# EAGLE board working (EAGLE 9.6.2), part 20 of 28 (continued)
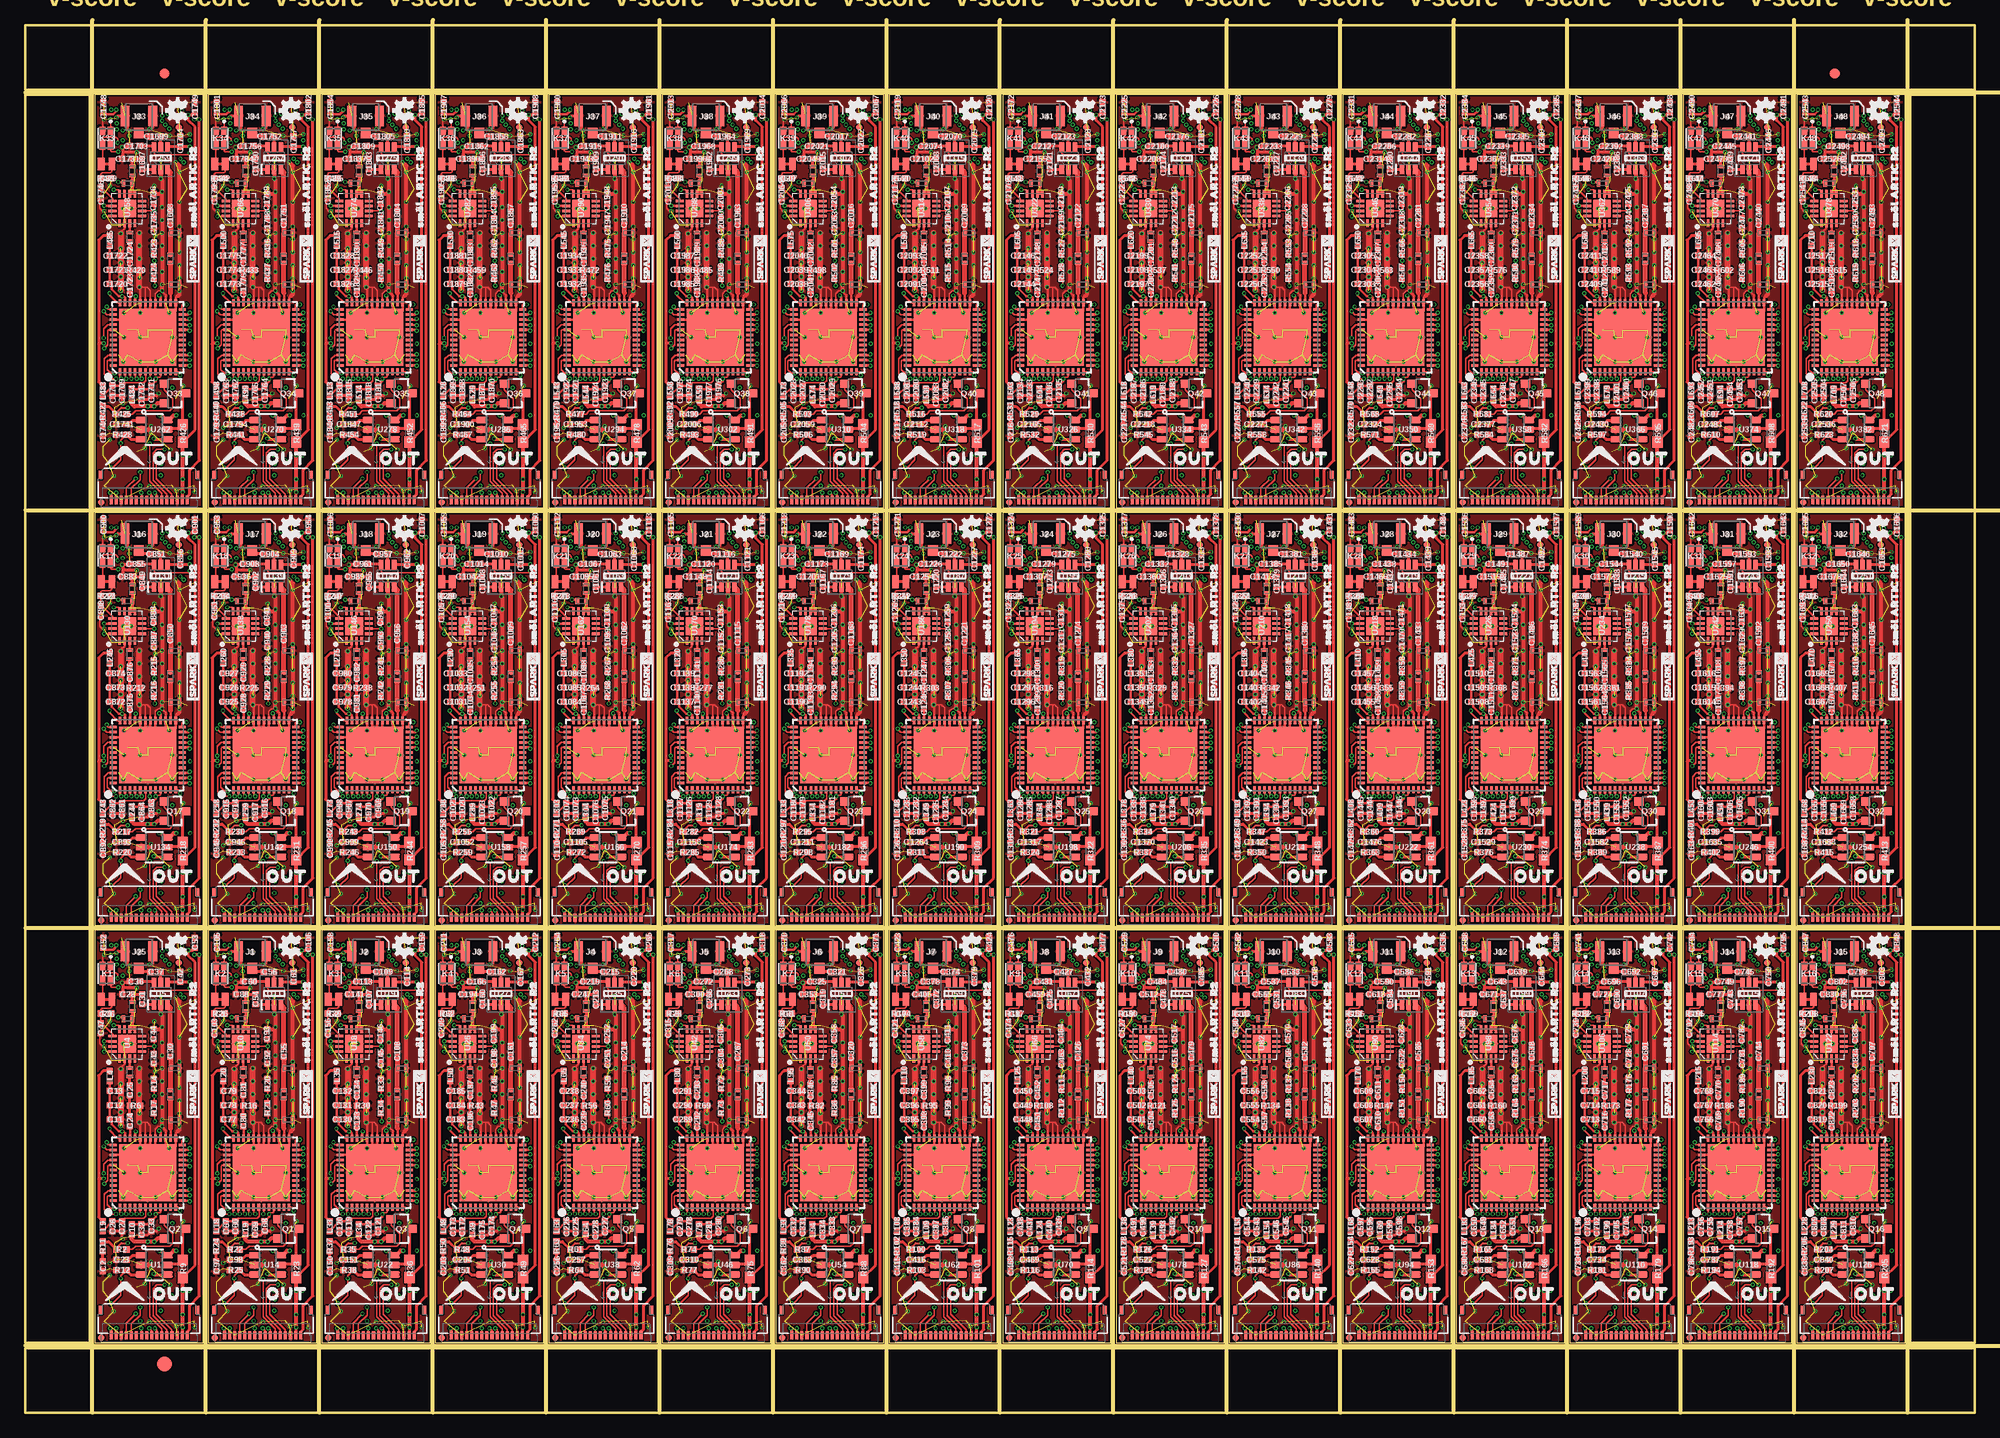
[diagram p0: board, top side]
## Tracks (layer width: path | path; a pad name or v marks a point on that pad's centre or on a via) (continued)
N$107  (via drill 0.2)
  Top 0.254: U25.20 49.61,24.37 v49.72,24.26
  Bottom 0.152: C200.1 49.02,22.41 50.03,22.41 50.16,22.54 50.16,23.81 v49.72,24.26
  Bottom 0.254: C200.1 C201.1 L59.1
N$108
  Top 0.305: U30.5 47.59,14.61 48.62,14.61 R49.1 49.02,17.82 Q4.3
N$109
  Top 0.152: R48.1 44.07,16.07 44.39,16.38 47.75,16.38 48.07,16.7 48.07,17.59 47.2,18.46 Q4.1
N$110  (via drill 0.2)
  Top 0.203: R48.2 42.49,16.2 42.99,16.7 v43.61,16.7
  Top 0.305: v46.16,13.65 46.22,13.59 U30.4 | R50.1 41.2,16.83 41.73,16.83 R48.2
  Bottom 0.203: v46.16,13.65 45.85,13.65 45.08,14.41 45.08,16.32 44.7,16.7 v43.61,16.7
N$111
  Top 0.305: C203.1 R50.2
  Top 0.406: 41.14,15.88 R50.2
N$112
  Top 0.305: U30.1 44.87,15.43 44.06,15.43 43.68,15.05 C204.1
N$113
  Top 0.305: C213.1 57.36,40.2 U35.1
N$114
  Top 0.508: C214.1 58.99,39.87 U35.3
N$115
  Top 0.305: U35.5 58.04,43.43 C215.2
N$116  (via drill 0.2)
  Top 0.254: U33.24 60.17,26.77 60.26,26.86 v60.58,26.86
  Bottom 0.305: C222.1 59.18,27.63 59.18,27.42 59.62,26.99 L61.1 v60.58,26.86 60.58,27.44 C221.1
N$117  (via drill 0.2)
  Top 0.254: U33.23 60.64,25.87 60.65,25.88 60.74,25.88 v60.9,26.04
  Bottom 0.305: L62.1 60.2,25.84 60.39,26.04 v60.9,26.04
  Bottom 0.406: C223.1 C224.1 L62.1
N$118
  Top 0.152: U33.6 56.57,20.17 56.57,19.34 56.37,19.14 54.52,19.14 C225.1 | L63.1 52.32,17.88 53.28,18.83 C226.1
  Top 0.254: C226.1 C225.1
N$119  (via drill 0.2)
  Top 0.152: v57.53,19.56 57.53,19.62 57.58,19.67 57.92,19.67 58.02,19.77 U33.9
  Top 0.254: L64.1 C228.1 56.77,18.53 C227.1 57.53,19.3 v57.53,19.56
  Bottom 0.152: v57.53,19.56 56.77,18.8 R53.1 R54.2
N$120  (via drill 0.2)
  Top 0.254: U33.35 54.52,27.53 54.36,27.69 v54.23,27.69 53.91,27.69 53.22,28.38 53.22,28.7 C236.1 C237.1 C238.1 53.03,32.64 L65.1 | U33.28 58.02,27.62 v57.89,27.75 | U33.33 55.52,27.63 v55.57,27.69
  Bottom 0.254: v57.89,27.75 57.83,27.69 v55.57,27.69 v54.23,27.69
N$121  (via drill 0.2)
  Top 0.152: U33.36 53.76,27.02 52.99,27.79 v52.99,27.98
  Bottom 0.254: L66.1 53.34,28.32 v52.99,27.98 52.99,27.96 53.52,27.43 C230.1 53.54,27.3 53.98,26.86 C229.1
N$122  (via drill 0.2)
  Top 0.127: U33.41 52.9,24.37 52.81,24.28 52.81,22.89 v52.46,22.54
  Bottom 0.152: v52.46,22.54 52.46,21.96 R55.1
N$123  (via drill 0.2)
  Top 0.152: U33.40 52.81,24.87 52.42,24.48 v52.42,23.56
  Bottom 0.152: v52.42,23.56 53.2,23.56 C231.1 C232.1 L67.1
N$124  (via drill 0.2)
  Top 0.152: v52.7,26.63 52.7,26.53 52.86,26.37 U33.37
  Bottom 0.152: v52.7,26.63 53.21,26.12 53.72,26.12 54.19,25.64 54.46,25.64 X5.4 55.79,25.3 C234.1 C233.1
N$125
  Bottom 0.152: C235.1 52.48,24.48 53.3,25.3 X5.3
N$126  (via drill 0.2)
  Top 0.152: U33.38 52.71,25.87 52.41,26.17 v52.41,26.21
  Bottom 0.152: v52.41,26.21 52.39,26.18 C235.2
N$127
  Top 0.254: U33.34 55.02,28.17 C239.1
N$128
  Top 0.254: R56.2 | C240.1
  Top 0.305: C239.2 R56.2 | R56.2 C240.1
N$129  (via drill 0.2)
  Top 0.254: v52.45,36.58 U34.14
  Bottom 0.254: L69.P$2 52.46,36.59 v52.45,36.58
N$130
  Bottom 0.254: C245.1 C244.1 R58.1 53.74,37.45 L69.P$1
N$131
  Top 0.305: C240.2 L68.P$1
N$132
  Top 0.254: L68.P$2 U34.3
N$133
  Top 0.254: U34.10 55.24,37.77 U34.9
  Top 0.305: 55.24,38.79 L70.P$2 | 55.24,38.79 55.24,37.77 | L71.P$1 55.24,38.79
N$134
  Top 0.254: C246.P$1 59,30.96 58.99,30.94 59,30.93 | 59.02,28.81 L72.P$2 arc-45 L72.P$2 | U33.26 59.02,27.99 59,28
  Top 0.508: 59,28 L72.P$2 | L72.P$2 59,30.93
N$135  (via drill 0.2)
  Top 0.254: U33.20 60.78,24.37 v60.9,24.26
  Bottom 0.152: C253.1 60.2,22.41 61.21,22.41 61.34,22.54 61.34,23.81 v60.9,24.26
  Bottom 0.254: C253.1 C254.1 L74.1
N$136
  Top 0.305: U38.5 58.77,14.61 59.79,14.61 R62.1 60.2,17.82 Q5.3
N$137
  Top 0.152: R61.1 55.24,16.07 55.56,16.38 58.93,16.38 59.25,16.7 59.25,17.59 58.37,18.46 Q5.1
N$138  (via drill 0.2)
  Top 0.203: R61.2 53.66,16.2 54.16,16.7 v54.79,16.7
  Top 0.305: v57.34,13.65 57.4,13.59 U38.4 | R63.1 52.38,16.83 52.9,16.83 R61.2
  Bottom 0.203: v57.34,13.65 57.02,13.65 56.26,14.41 56.26,16.32 55.88,16.7 v54.79,16.7
N$139
  Top 0.305: C256.1 R63.2
  Top 0.406: 52.32,15.88 R63.2
N$140
  Top 0.305: U38.1 56.04,15.43 55.24,15.43 54.86,15.05 C257.1
N$141
  Top 0.305: C266.1 68.54,40.2 U43.1
N$142
  Top 0.508: C267.1 70.17,39.87 U43.3
N$143
  Top 0.305: U43.5 69.22,43.43 C268.2
N$144  (via drill 0.2)
  Top 0.254: U41.24 71.34,26.77 71.44,26.86 v71.76,26.86
  Bottom 0.305: C275.1 70.36,27.63 70.36,27.42 70.8,26.99 L76.1 v71.76,26.86 71.76,27.44 C274.1
N$145  (via drill 0.2)
  Top 0.254: U41.23 71.82,25.87 71.83,25.88 71.92,25.88 v72.07,26.04
  Bottom 0.305: L77.1 71.37,25.84 71.56,26.04 v72.07,26.04
  Bottom 0.406: C276.1 C277.1 L77.1
N$146
  Top 0.152: U41.6 67.75,20.17 67.75,19.34 67.55,19.14 65.69,19.14 C278.1 | L78.1 63.5,17.88 64.45,18.83 C279.1
  Top 0.254: C279.1 C278.1
N$147  (via drill 0.2)
  Top 0.152: v68.71,19.56 68.71,19.62 68.76,19.67 69.09,19.67 69.2,19.77 U41.9
  Top 0.254: L79.1 C281.1 67.95,18.53 C280.1 68.71,19.3 v68.71,19.56
  Bottom 0.152: v68.71,19.56 67.95,18.8 R66.1 R67.2
N$148  (via drill 0.2)
  Top 0.254: U41.35 65.7,27.53 65.53,27.69 v65.41,27.69 65.09,27.69 64.4,28.38 64.4,28.7 C289.1 C290.1 C291.1 L80.1 | U41.28 69.2,27.62 v69.07,27.75 | U41.33 66.7,27.63 v66.75,27.69
  Bottom 0.254: v69.07,27.75 69.01,27.69 v66.75,27.69 v65.41,27.69
N$149  (via drill 0.2)
  Top 0.152: U41.36 64.94,27.02 64.17,27.79 v64.17,27.98
  Bottom 0.254: L81.1 64.52,28.32 v64.17,27.98 64.17,27.96 64.7,27.43 C283.1 64.71,27.3 65.16,26.86 C282.1
N$150  (via drill 0.2)
  Top 0.127: U41.41 64.07,24.37 63.98,24.28 63.98,22.89 v63.64,22.54
  Bottom 0.152: v63.64,22.54 63.64,21.96 R68.1
N$151  (via drill 0.2)
  Top 0.152: U41.40 63.99,24.87 63.59,24.48 v63.59,23.56
  Bottom 0.152: v63.59,23.56 64.38,23.56 C284.1 C285.1 L82.1
N$152  (via drill 0.2)
  Top 0.152: v63.88,26.63 63.88,26.53 64.04,26.37 U41.37
  Bottom 0.152: v63.88,26.63 64.39,26.12 64.89,26.12 65.37,25.64 65.64,25.64 X6.4 66.97,25.3 C287.1 C286.1
N$153
  Bottom 0.152: C288.1 63.65,24.48 64.47,25.3 X6.3
N$154  (via drill 0.2)
  Top 0.152: U41.38 63.89,25.87 63.59,26.17 v63.59,26.21
  Bottom 0.152: v63.59,26.21 63.56,26.18 C288.2
N$155
  Top 0.254: U41.34 66.2,28.17 C292.1
N$156
  Top 0.254: 66.17,30.22 R69.2 | C293.1
  Top 0.305: C292.2 66.17,30.22 | R69.2 C293.1
N$157  (via drill 0.2)
  Top 0.254: v63.63,36.58 U42.14
  Bottom 0.254: L84.P$2 63.64,36.59 v63.63,36.58
N$158
  Bottom 0.254: C298.1 C297.1 R71.1 64.92,37.45 L84.P$1
N$159
  Top 0.305: C293.2 L83.P$1
N$160
  Top 0.254: L83.P$2 U42.3
N$161
  Top 0.254: U42.10 66.42,37.77 U42.9
  Top 0.305: 66.42,38.79 L85.P$2 | 66.42,38.79 66.42,37.77 | L86.P$1 66.42,38.79
N$162
  Top 0.254: C299.P$1 70.18,30.96 70.17,30.94 70.18,30.93 | 70.2,28.81 L87.P$2 arc-45 L87.P$2 | U41.26 70.2,27.99 70.18,28
  Top 0.508: 70.18,28 L87.P$2 | L87.P$2 70.18,30.93
N$163  (via drill 0.2)
  Top 0.254: U41.20 71.96,24.37 v72.07,24.26
  Bottom 0.152: C306.1 71.37,22.41 72.38,22.41 72.52,22.54 72.52,23.81 v72.07,24.26
  Bottom 0.254: C306.1 C307.1 L89.1
N$164
  Top 0.305: U46.5 69.94,14.61 70.97,14.61 R75.1 71.37,17.82 Q6.3
N$165
  Top 0.152: R74.1 66.42,16.07 66.74,16.38 70.1,16.38 70.42,16.7 70.42,17.59 69.55,18.46 Q6.1
N$166  (via drill 0.2)
  Top 0.203: R74.2 64.84,16.2 65.34,16.7 v65.97,16.7
  Top 0.305: v68.52,13.65 68.58,13.59 U46.4 | R76.1 63.55,16.83 64.08,16.83 R74.2
  Bottom 0.203: v68.52,13.65 68.2,13.65 67.44,14.41 67.44,16.32 67.06,16.7 v65.97,16.7
N$167
  Top 0.305: C309.1 R76.2
  Top 0.406: 63.49,15.88 R76.2
N$168
  Top 0.305: U46.1 67.22,15.43 66.41,15.43 66.03,15.05 C310.1
N$169
  Top 0.305: C319.1 79.71,40.2 U51.1
N$170
  Top 0.508: C320.1 81.34,39.87 U51.3
N$171
  Top 0.305: U51.5 80.39,43.43 C321.2
N$172  (via drill 0.2)
  Top 0.254: U49.24 82.52,26.77 82.61,26.86 v82.93,26.86
  Bottom 0.305: C328.1 81.53,27.63 81.53,27.42 81.97,26.99 L91.1 v82.93,26.86 82.93,27.44 C327.1
N$173  (via drill 0.2)
  Top 0.254: U49.23 83,25.87 83,25.88 83.09,25.88 v83.25,26.04
  Bottom 0.305: L92.1 82.55,25.84 82.74,26.04 v83.25,26.04
  Bottom 0.406: C329.1 C330.1 L92.1
N$174
  Top 0.152: U49.6 78.92,20.17 78.92,19.34 78.72,19.14 76.87,19.14 C331.1 | L93.1 74.68,17.88 75.63,18.83 C332.1
  Top 0.254: C332.1 C331.1
N$175  (via drill 0.2)
  Top 0.152: v79.88,19.56 79.88,19.62 79.93,19.67 80.27,19.67 80.37,19.77 U49.9
  Top 0.254: L94.1 C334.1 79.12,18.53 C333.1 79.88,19.3 v79.88,19.56
  Bottom 0.152: v79.88,19.56 79.12,18.8 R79.1 R80.2
N$176  (via drill 0.2)
  Top 0.254: U49.35 76.87,27.53 76.71,27.69 v76.58,27.69 76.26,27.69 75.57,28.38 75.57,28.7 C342.1 C343.1 C344.1 L95.1 | U49.28 80.37,27.62 v80.25,27.75 | U49.33 77.87,27.63 v77.93,27.69
  Bottom 0.254: v80.25,27.75 80.18,27.69 v77.93,27.69 v76.58,27.69
N$177  (via drill 0.2)
  Top 0.152: U49.36 76.11,27.02 75.35,27.79 v75.35,27.98
  Bottom 0.254: L96.1 75.69,28.32 v75.35,27.98 75.35,27.96 75.87,27.43 C336.1 75.89,27.3 76.34,26.86 C335.1
N$178  (via drill 0.2)
  Top 0.127: U49.41 75.25,24.37 75.16,24.28 75.16,22.89 v74.82,22.54
  Bottom 0.152: v74.82,22.54 74.82,21.96 R81.1
N$179  (via drill 0.2)
  Top 0.152: U49.40 75.16,24.87 74.77,24.48 v74.77,23.56
  Bottom 0.152: v74.77,23.56 75.56,23.56 C337.1 C338.1 L97.1
N$180  (via drill 0.2)
  Top 0.152: v75.06,26.63 75.06,26.53 75.21,26.37 U49.37
  Bottom 0.152: v75.06,26.63 75.56,26.12 76.07,26.12 76.55,25.64 76.81,25.64 X7.4 78.14,25.3 C340.1 C339.1
N$181
  Bottom 0.152: C341.1 74.83,24.48 75.65,25.3 X7.3
N$182  (via drill 0.2)
  Top 0.152: U49.38 75.06,25.87 74.77,26.17 v74.77,26.21
  Bottom 0.152: v74.77,26.21 74.74,26.18 C341.2
N$183
  Top 0.254: U49.34 77.37,28.17 C345.1
N$184
  Top 0.254: R82.2 | 77.35,31.24 C346.1
  Top 0.305: C345.2 R82.2 | R82.2 77.35,31.24
N$185  (via drill 0.2)
  Top 0.254: v74.8,36.58 U50.14
  Bottom 0.254: L99.P$2 74.82,36.59 v74.8,36.58
N$186
  Bottom 0.254: C351.1 C350.1 R84.1 76.09,37.45 L99.P$1
N$187
  Top 0.305: C346.2 L98.P$1
N$188
  Top 0.254: L98.P$2 U50.3
N$189
  Top 0.254: U50.10 77.6,37.77 U50.9
  Top 0.305: 77.6,38.79 L100.P$2 | 77.6,38.79 77.6,37.77 | L101.P$1 77.6,38.79
N$190
  Top 0.254: C352.P$1 81.36,30.96 81.34,30.94 81.35,30.93 81.36,30.93 | 81.37,28.81 L102.P$2 arc-45 L102.P$2 | U49.26 81.37,27.99 81.36,28
  Top 0.508: 81.36,28 L102.P$2 | L102.P$2 81.35,30.93
N$191  (via drill 0.2)
  Top 0.254: U49.20 83.13,24.37 v83.25,24.26
  Bottom 0.152: C359.1 82.55,22.41 83.56,22.41 83.69,22.54 83.69,23.81 v83.25,24.26
  Bottom 0.254: C359.1 C360.1 L104.1
N$192
  Top 0.305: U54.5 81.12,14.61 82.15,14.61 R88.1 82.55,17.82 Q7.3
N$193
  Top 0.152: R87.1 77.6,16.07 77.91,16.38 81.28,16.38 81.6,16.7 81.6,17.59 80.73,18.46 Q7.1
N$194  (via drill 0.2)
  Top 0.203: R87.2 76.02,16.2 76.52,16.7 v77.14,16.7
  Top 0.305: v79.69,13.65 79.75,13.59 U54.4 | R89.1 74.73,16.83 75.26,16.83 R87.2
  Bottom 0.203: v79.69,13.65 79.38,13.65 78.61,14.41 78.61,16.32 78.23,16.7 v77.14,16.7
N$195
  Top 0.305: C362.1 R89.2
  Top 0.406: 74.67,15.88 R89.2
N$196
  Top 0.305: U54.1 78.4,15.43 77.59,15.43 77.21,15.05 C363.1
N$197
  Top 0.305: C372.1 90.89,40.2 U59.1
N$198
  Top 0.508: C373.1 92.52,39.87 U59.3
N$199
  Top 0.305: U59.5 91.57,43.43 C374.2
N$200  (via drill 0.2)
  Top 0.254: U57.24 93.7,26.77 93.79,26.86 v94.11,26.86
  Bottom 0.305: C381.1 92.71,27.63 92.71,27.42 93.15,26.99 L106.1 v94.11,26.86 94.11,27.44 C380.1
N$201  (via drill 0.2)
  Top 0.254: U57.23 94.17,25.87 94.18,25.88 94.27,25.88 v94.42,26.04
  Bottom 0.305: L107.1 93.73,25.84 93.92,26.04 v94.42,26.04
  Bottom 0.406: C382.1 C383.1 L107.1
N$202
  Top 0.152: U57.6 90.1,20.17 90.1,19.34 89.9,19.14 88.05,19.14 C384.1 | L108.1 85.85,17.88 86.81,18.83 C385.1
  Top 0.254: C385.1 C384.1
N$203  (via drill 0.2)
  Top 0.152: v91.06,19.56 91.06,19.62 91.11,19.67 91.45,19.67 91.55,19.77 U57.9
  Top 0.254: L109.1 C387.1 90.3,18.53 C386.1 91.06,19.3 v91.06,19.56
  Bottom 0.152: v91.06,19.56 90.3,18.8 R92.1 R93.2
N$204  (via drill 0.2)
  Top 0.254: U57.35 88.05,27.53 87.88,27.69 v87.76,27.69 87.44,27.69 86.75,28.38 86.75,28.7 C395.1 C396.1 C397.1 L110.1 | U57.28 91.55,27.62 v91.42,27.75 | U57.33 89.05,27.63 v89.1,27.69
  Bottom 0.254: v91.42,27.75 91.36,27.69 v89.1,27.69 v87.76,27.69
N$205  (via drill 0.2)
  Top 0.152: U57.36 87.29,27.02 86.52,27.79 v86.52,27.98
  Bottom 0.254: L111.1 86.87,28.32 v86.52,27.98 86.52,27.96 87.05,27.43 C389.1 87.07,27.3 87.51,26.86 C388.1
N$206  (via drill 0.2)
  Top 0.127: U57.41 86.42,24.37 86.34,24.28 86.34,22.89 v85.99,22.54
  Bottom 0.152: v85.99,22.54 85.99,21.96 R94.1
N$207  (via drill 0.2)
  Top 0.152: U57.40 86.34,24.87 85.94,24.48 v85.94,23.56
  Bottom 0.152: v85.94,23.56 86.73,23.56 C390.1 C391.1 L112.1
N$208  (via drill 0.2)
  Top 0.152: v86.23,26.63 86.23,26.53 86.39,26.37 U57.37
  Bottom 0.152: v86.23,26.63 86.74,26.12 87.25,26.12 87.72,25.64 87.99,25.64 X8.4 89.32,25.3 C393.1 C392.1
N$209
  Bottom 0.152: C394.1 86,24.48 86.83,25.3 X8.3
N$210  (via drill 0.2)
  Top 0.152: U57.38 86.24,25.87 85.94,26.17 v85.94,26.21
  Bottom 0.152: v85.94,26.21 85.92,26.18 C394.2
N$211
  Top 0.254: U57.34 88.55,28.17 C398.1
N$212
  Top 0.254: R95.2 | C399.1
  Top 0.305: C398.2 R95.2 | R95.2 C399.1
N$213  (via drill 0.2)
  Top 0.254: v85.98,36.58 U58.14
  Bottom 0.254: L114.P$2 85.99,36.59 v85.98,36.58
N$214
  Bottom 0.254: C404.1 C403.1 R97.1 87.27,37.45 L114.P$1
N$215
  Top 0.305: C399.2 L113.P$1
N$216
  Top 0.254: L113.P$2 U58.3
N$217
  Top 0.254: U58.10 88.77,37.77 U58.9
  Top 0.305: 88.77,38.79 L115.P$2 | 88.77,38.79 88.77,37.77 | L116.P$1 88.77,38.79
N$218
  Top 0.254: C405.P$1 92.53,30.96 92.52,30.94 92.53,30.93 | 92.55,28.81 L117.P$2 arc-45 L117.P$2 | U57.26 92.55,27.99 92.53,28
  Top 0.508: 92.53,28 L117.P$2 | L117.P$2 92.53,30.93
N$219  (via drill 0.2)
  Top 0.254: U57.20 94.31,24.37 v94.42,24.26
  Bottom 0.152: C412.1 93.73,22.41 94.73,22.41 94.87,22.54 94.87,23.81 v94.42,24.26
  Bottom 0.254: C412.1 C413.1 L119.1
N$220
  Top 0.305: U62.5 92.3,14.61 93.32,14.61 R101.1 93.73,17.82 Q8.3
N$221
  Top 0.152: R100.1 88.77,16.07 89.09,16.38 92.46,16.38 92.77,16.7 92.77,17.59 91.9,18.46 Q8.1
N$222  (via drill 0.2)
  Top 0.203: R100.2 87.19,16.2 87.69,16.7 v88.32,16.7
  Top 0.305: v90.87,13.65 90.93,13.59 U62.4 | R102.1 85.91,16.83 86.43,16.83 R100.2
  Bottom 0.203: v90.87,13.65 90.55,13.65 89.79,14.41 89.79,16.32 89.41,16.7 v88.32,16.7
N$223
  Top 0.305: C415.1 R102.2
  Top 0.406: 85.84,15.88 R102.2
N$224
  Top 0.305: U62.1 89.57,15.43 88.77,15.43 88.38,15.05 C416.1
N$225
  Top 0.305: C425.1 102.06,40.2 U67.1
N$226
  Top 0.508: C426.1 103.7,39.87 U67.3
N$227
  Top 0.305: U67.5 102.74,43.43 C427.2
N$228  (via drill 0.2)
  Top 0.254: U65.24 104.87,26.77 104.97,26.86 v105.28,26.86
  Bottom 0.305: C434.1 103.89,27.63 103.89,27.42 104.32,26.99 L121.1 v105.28,26.86 105.28,27.44 C433.1
N$229  (via drill 0.2)
  Top 0.254: U65.23 105.35,25.87 105.35,25.88 105.44,25.88 v105.6,26.04
  Bottom 0.305: L122.1 104.9,25.84 105.09,26.04 v105.6,26.04
  Bottom 0.406: C435.1 C436.1 L122.1
N$230
  Top 0.152: U65.6 101.27,20.17 101.27,19.34 101.07,19.14 99.22,19.14 C437.1 | L123.1 97.03,17.88 97.98,18.83 C438.1
  Top 0.254: C438.1 C437.1
N$231  (via drill 0.2)
  Top 0.152: v102.23,19.56 102.23,19.62 102.28,19.67 102.62,19.67 102.72,19.77 U65.9
  Top 0.254: L124.1 C440.1 101.47,18.53 C439.1 102.23,19.3 v102.23,19.56
  Bottom 0.152: v102.23,19.56 101.48,18.8 R105.1 R106.2
N$232  (via drill 0.2)
  Top 0.254: U65.35 99.22,27.53 99.06,27.69 v98.93,27.69 98.61,27.69 97.92,28.38 97.92,28.7 C448.1 C449.1 C450.1 L125.1 | U65.28 102.72,27.62 v102.6,27.75 | U65.33 100.22,27.63 v100.28,27.69
  Bottom 0.254: v102.6,27.75 102.53,27.69 v100.28,27.69 v98.93,27.69
N$233  (via drill 0.2)
  Top 0.152: U65.36 98.46,27.02 97.7,27.79 v97.7,27.98
  Bottom 0.254: L126.1 98.04,28.32 v97.7,27.98 97.7,27.96 98.23,27.43 C442.1 98.24,27.3 98.69,26.86 C441.1
N$234  (via drill 0.2)
  Top 0.127: U65.41 97.6,24.37 97.51,24.28 97.51,22.89 v97.17,22.54
  Bottom 0.152: v97.17,22.54 97.17,21.96 R107.1
N$235  (via drill 0.2)
  Top 0.152: U65.40 97.52,24.87 97.12,24.48 v97.12,23.56
  Bottom 0.152: v97.12,23.56 97.91,23.56 C443.1 C444.1 L127.1
N$236  (via drill 0.2)
  Top 0.152: v97.41,26.63 97.41,26.53 97.56,26.37 U65.37
  Bottom 0.152: v97.41,26.63 97.92,26.12 98.42,26.12 98.9,25.64 99.17,25.64 X9.4 100.5,25.3 C446.1 C445.1
N$237
  Bottom 0.152: C447.1 97.18,24.48 98,25.3 X9.3
N$238  (via drill 0.2)
  Top 0.152: U65.38 97.42,25.87 97.12,26.17 v97.12,26.21
  Bottom 0.152: v97.12,26.21 97.09,26.18 C447.2
N$239
  Top 0.254: U65.34 99.72,28.17 C451.1
N$240
  Top 0.254: R108.2 | C452.1
  Top 0.305: C451.2 R108.2 | R108.2 C452.1
N$241  (via drill 0.2)
  Top 0.254: v97.16,36.58 U66.14
  Bottom 0.254: L129.P$2 97.17,36.59 v97.16,36.58
N$242
  Bottom 0.254: C457.1 C456.1 R110.1 98.45,37.45 L129.P$1
N$243
  Top 0.305: C452.2 L128.P$1
N$244
  Top 0.254: L128.P$2 U66.3
N$245
  Top 0.254: U66.10 99.95,37.77 U66.9
  Top 0.305: 99.95,38.79 L130.P$2 | 99.95,38.79 99.95,37.77 | L131.P$1 99.95,38.79
N$246
  Top 0.254: C458.P$1 103.71,30.96 103.7,30.94 103.7,30.93 103.71,30.93 | 103.72,28.81 L132.P$2 arc-45 L132.P$2 | U65.26 103.72,27.99 103.71,28
  Top 0.508: 103.71,28 L132.P$2 | L132.P$2 103.7,30.93
N$247  (via drill 0.2)
  Top 0.254: U65.20 105.48,24.37 v105.6,24.26
  Bottom 0.152: C465.1 104.9,22.41 105.91,22.41 106.05,22.54 106.05,23.81 v105.6,24.26
  Bottom 0.254: C465.1 C466.1 L134.1
N$248
  Top 0.305: U70.5 103.47,14.61 104.5,14.61 R114.1 104.9,17.82 Q9.3
N$249
  Top 0.152: R113.1 99.95,16.07 100.27,16.38 103.63,16.38 103.95,16.7 103.95,17.59 103.08,18.46 Q9.1
N$250  (via drill 0.2)
  Top 0.203: R113.2 98.37,16.2 98.87,16.7 v99.49,16.7
  Top 0.305: v102.04,13.65 102.11,13.59 U70.4 | R115.1 97.08,16.83 97.61,16.83 R113.2
  Bottom 0.203: v102.04,13.65 101.73,13.65 100.97,14.41 100.97,16.32 100.58,16.7 v99.49,16.7
N$251
  Top 0.305: C468.1 R115.2
  Top 0.406: 97.02,15.88 R115.2
N$252
  Top 0.305: U70.1 100.75,15.43 99.94,15.43 99.56,15.05 C469.1
N$253
  Top 0.305: C478.1 113.24,40.2 U75.1
N$254
  Top 0.508: C479.1 114.87,39.87 U75.3
N$255
  Top 0.305: U75.5 113.92,43.43 C480.2
N$256  (via drill 0.2)
  Top 0.254: U73.24 116.05,26.77 116.14,26.86 v116.46,26.86
  Bottom 0.305: C487.1 115.06,27.63 115.06,27.42 115.5,26.99 L136.1 v116.46,26.86 116.46,27.44 C486.1
N$257  (via drill 0.2)
  Top 0.254: U73.23 116.52,25.87 116.53,25.88 116.62,25.88 v116.78,26.04
  Bottom 0.305: L137.1 116.08,25.84 116.27,26.04 v116.78,26.04
  Bottom 0.406: C488.1 C489.1 L137.1
N$258
  Top 0.152: U73.6 112.45,20.17 112.45,19.34 112.25,19.14 110.4,19.14 C490.1 | L138.1 108.2,17.88 109.16,18.83 C491.1
  Top 0.254: C491.1 C490.1
N$259  (via drill 0.2)
  Top 0.152: v113.41,19.56 113.41,19.62 113.46,19.67 113.8,19.67 113.9,19.77 U73.9
  Top 0.254: L139.1 C493.1 112.65,18.53 C492.1 113.41,19.3 v113.41,19.56
  Bottom 0.152: v113.41,19.56 112.65,18.8 R118.1 R119.2
N$260  (via drill 0.2)
  Top 0.254: U73.35 110.4,27.53 110.24,27.69 v110.11,27.69 109.79,27.69 109.1,28.38 109.1,28.7 C501.1 C502.1 C503.1 108.91,32.64 L140.1 | U73.28 113.9,27.62 v113.77,27.75 | U73.33 111.4,27.63 v111.45,27.69
  Bottom 0.254: v113.77,27.75 113.71,27.69 v111.45,27.69 v110.11,27.69
N$261  (via drill 0.2)
  Top 0.152: U73.36 109.64,27.02 108.88,27.79 v108.88,27.98
  Bottom 0.254: L141.1 109.22,28.32 v108.88,27.98 108.88,27.96 109.4,27.43 C495.1 109.42,27.3 109.86,26.86 C494.1
N$262  (via drill 0.2)
  Top 0.127: U73.41 108.78,24.37 108.69,24.28 108.69,22.89 v108.34,22.54
  Bottom 0.152: v108.34,22.54 108.34,21.96 R120.1
N$263  (via drill 0.2)
  Top 0.152: U73.40 108.69,24.87 108.3,24.48 v108.3,23.56
  Bottom 0.152: v108.3,23.56 109.09,23.56 C496.1 C497.1 L142.1
N$264  (via drill 0.2)
  Top 0.152: v108.59,26.63 108.59,26.53 108.74,26.37 U73.37
  Bottom 0.152: v108.59,26.63 109.09,26.12 109.6,26.12 110.07,25.64 110.34,25.64 X10.4 111.67,25.3 C499.1 C498.1
N$265
  Bottom 0.152: C500.1 108.36,24.48 109.18,25.3 X10.3
N$266  (via drill 0.2)
  Top 0.152: U73.38 108.59,25.87 108.29,26.17 v108.29,26.21
  Bottom 0.152: v108.29,26.21 108.27,26.18 C500.2
N$267
  Top 0.254: U73.34 110.9,28.17 C504.1
N$268
  Top 0.254: R121.2 | 110.88,31.24 C505.1
  Top 0.305: C504.2 R121.2 | R121.2 110.88,31.24
N$269  (via drill 0.2)
  Top 0.254: v108.33,36.58 U74.14
  Bottom 0.254: L144.P$2 108.34,36.59 v108.33,36.58
N$270
  Bottom 0.254: C510.1 C509.1 R123.1 109.62,37.45 L144.P$1
N$271
  Top 0.305: C505.2 L143.P$1
N$272
  Top 0.254: L143.P$2 U74.3
N$273
  Top 0.254: U74.10 111.12,37.77 U74.9
  Top 0.305: 111.12,38.79 L145.P$2 | 111.12,38.79 111.12,37.77 | L146.P$1 111.12,38.79
N$274
  Top 0.254: C511.P$1 114.88,30.96 114.87,30.94 114.88,30.93 | 114.9,28.81 L147.P$2 arc-45 L147.P$2 | U73.26 114.9,27.99 114.88,28
  Top 0.508: 114.88,28 L147.P$2 | L147.P$2 114.88,30.93
N$275  (via drill 0.2)
  Top 0.254: U73.20 116.66,24.37 v116.78,24.26
  Bottom 0.152: C518.1 116.08,22.41 117.09,22.41 117.22,22.54 117.22,23.81 v116.78,24.26
  Bottom 0.254: C518.1 C519.1 L149.1
N$276
  Top 0.305: U78.5 114.65,14.61 115.67,14.61 R127.1 116.08,17.82 Q10.3
N$277
  Top 0.152: R126.1 111.12,16.07 111.44,16.38 114.81,16.38 115.12,16.7 115.12,17.59 114.25,18.46 Q10.1
N$278  (via drill 0.2)
  Top 0.203: R126.2 109.55,16.2 110.05,16.7 v110.67,16.7
  Top 0.305: v113.22,13.65 113.28,13.59 U78.4 | R128.1 108.26,16.83 108.78,16.83 R126.2
  Bottom 0.203: v113.22,13.65 112.9,13.65 112.14,14.41 112.14,16.32 111.76,16.7 v110.67,16.7
N$279
  Top 0.305: C521.1 R128.2
  Top 0.406: 108.2,15.88 R128.2
N$280
  Top 0.305: U78.1 111.92,15.43 111.12,15.43 110.74,15.05 C522.1
N$281
  Top 0.305: C531.1 124.42,40.2 U83.1
N$282
  Top 0.508: C532.1 126.05,39.87 U83.3
N$283
  Top 0.305: U83.5 125.09,43.43 C533.2
N$284  (via drill 0.2)
  Top 0.254: U81.24 127.23,26.77 127.32,26.86 v127.64,26.86
  Bottom 0.305: C540.1 126.24,27.63 126.24,27.42 126.67,26.99 L151.1 v127.64,26.86 127.64,27.44 C539.1
N$285  (via drill 0.2)
  Top 0.254: U81.23 127.7,25.87 127.71,25.88 127.8,25.88 v127.95,26.04
  Bottom 0.305: L152.1 127.25,25.84 127.45,26.04 v127.95,26.04
  Bottom 0.406: C541.1 C542.1 L152.1
N$286
  Top 0.152: U81.6 123.63,20.17 123.63,19.34 123.43,19.14 121.57,19.14 C543.1 | L153.1 119.38,17.88 120.33,18.83 C544.1
  Top 0.254: C544.1 C543.1
N$287  (via drill 0.2)
  Top 0.152: v124.59,19.56 124.59,19.62 124.64,19.67 124.98,19.67 125.08,19.77 U81.9
  Top 0.254: L154.1 C546.1 123.83,18.53 C545.1 124.59,19.3 v124.59,19.56
  Bottom 0.152: v124.59,19.56 123.83,18.8 R131.1 R132.2
N$288  (via drill 0.2)
  Top 0.254: U81.35 121.58,27.53 121.41,27.69 v121.29,27.69 120.97,27.69 120.28,28.38 120.28,28.7 C554.1 C555.1 C556.1 L155.1 | U81.28 125.08,27.62 v124.95,27.75 | U81.33 122.58,27.63 v122.63,27.69
  Bottom 0.254: v124.95,27.75 124.89,27.69 v122.63,27.69 v121.29,27.69
N$289  (via drill 0.2)
  Top 0.152: U81.36 120.81,27.02 120.05,27.79 v120.05,27.98
  Bottom 0.254: L156.1 120.4,28.32 v120.05,27.98 120.05,27.96 120.58,27.43 C548.1 120.59,27.3 121.04,26.86 C547.1
N$290  (via drill 0.2)
  Top 0.127: U81.41 119.95,24.37 119.86,24.28 119.86,22.89 v119.52,22.54
  Bottom 0.152: v119.52,22.54 119.52,21.96 R133.1
N$291  (via drill 0.2)
  Top 0.152: U81.40 119.87,24.87 119.47,24.48 v119.47,23.56
  Bottom 0.152: v119.47,23.56 120.26,23.56 C549.1 C550.1 L157.1
N$292  (via drill 0.2)
  Top 0.152: v119.76,26.63 119.76,26.53 119.92,26.37 U81.37
  Bottom 0.152: v119.76,26.63 120.27,26.12 120.78,26.12 121.25,25.64 121.52,25.64 X11.4 122.85,25.3 C552.1 C551.1
N$293
  Bottom 0.152: C553.1 119.53,24.48 120.36,25.3 X11.3
N$294  (via drill 0.2)
  Top 0.152: U81.38 119.77,25.87 119.47,26.17 v119.47,26.21
  Bottom 0.152: v119.47,26.21 119.44,26.18 C553.2
N$295
  Top 0.254: U81.34 122.08,28.17 C557.1
N$296
  Top 0.254: 122.05,30.22 R134.2 | C558.1
  Top 0.305: C557.2 122.05,30.22 | R134.2 C558.1
N$297  (via drill 0.2)
  Top 0.254: v119.51,36.58 U82.14
  Bottom 0.254: L159.P$2 119.52,36.59 v119.51,36.58
N$298
  Bottom 0.254: C563.1 C562.1 R136.1 120.8,37.45 L159.P$1
N$299
  Top 0.305: C558.2 L158.P$1
N$300
  Top 0.254: L158.P$2 U82.3
N$301
  Top 0.254: U82.10 122.3,37.77 U82.9
  Top 0.305: 122.3,38.79 L160.P$2 | 122.3,38.79 122.3,37.77 | L161.P$1 122.3,38.79
N$302
  Top 0.254: C564.P$1 126.06,30.96 126.05,30.94 126.06,30.93 | 126.08,28.81 L162.P$2 arc-45 L162.P$2 | U81.26 126.08,27.99 126.06,28
  Top 0.508: 126.06,28 L162.P$2 | L162.P$2 126.06,30.93
N$303  (via drill 0.2)
  Top 0.254: U81.20 127.84,24.37 v127.95,24.26
  Bottom 0.152: C571.1 127.25,22.41 128.26,22.41 128.4,22.54 128.4,23.81 v127.95,24.26
  Bottom 0.254: C571.1 C572.1 L164.1
N$304
  Top 0.305: U86.5 125.82,14.61 126.85,14.61 R140.1 127.25,17.82 Q11.3
N$305
  Top 0.152: R139.1 122.3,16.07 122.62,16.38 125.98,16.38 126.3,16.7 126.3,17.59 125.43,18.46 Q11.1
N$306  (via drill 0.2)
  Top 0.203: R139.2 120.72,16.2 121.22,16.7 v121.84,16.7
  Top 0.305: v124.4,13.65 124.46,13.59 U86.4 | R141.1 119.44,16.83 119.96,16.83 R139.2
  Bottom 0.203: v124.4,13.65 124.08,13.65 123.32,14.41 123.32,16.32 122.94,16.7 v121.84,16.7
N$307
  Top 0.305: C574.1 R141.2
  Top 0.406: 119.37,15.88 R141.2
N$308
  Top 0.305: U86.1 123.1,15.43 122.29,15.43 121.91,15.05 C575.1
N$309
  Top 0.305: C584.1 135.59,40.2 U91.1
N$310